# KiCad board Duet2.kicad_pcb (continued)
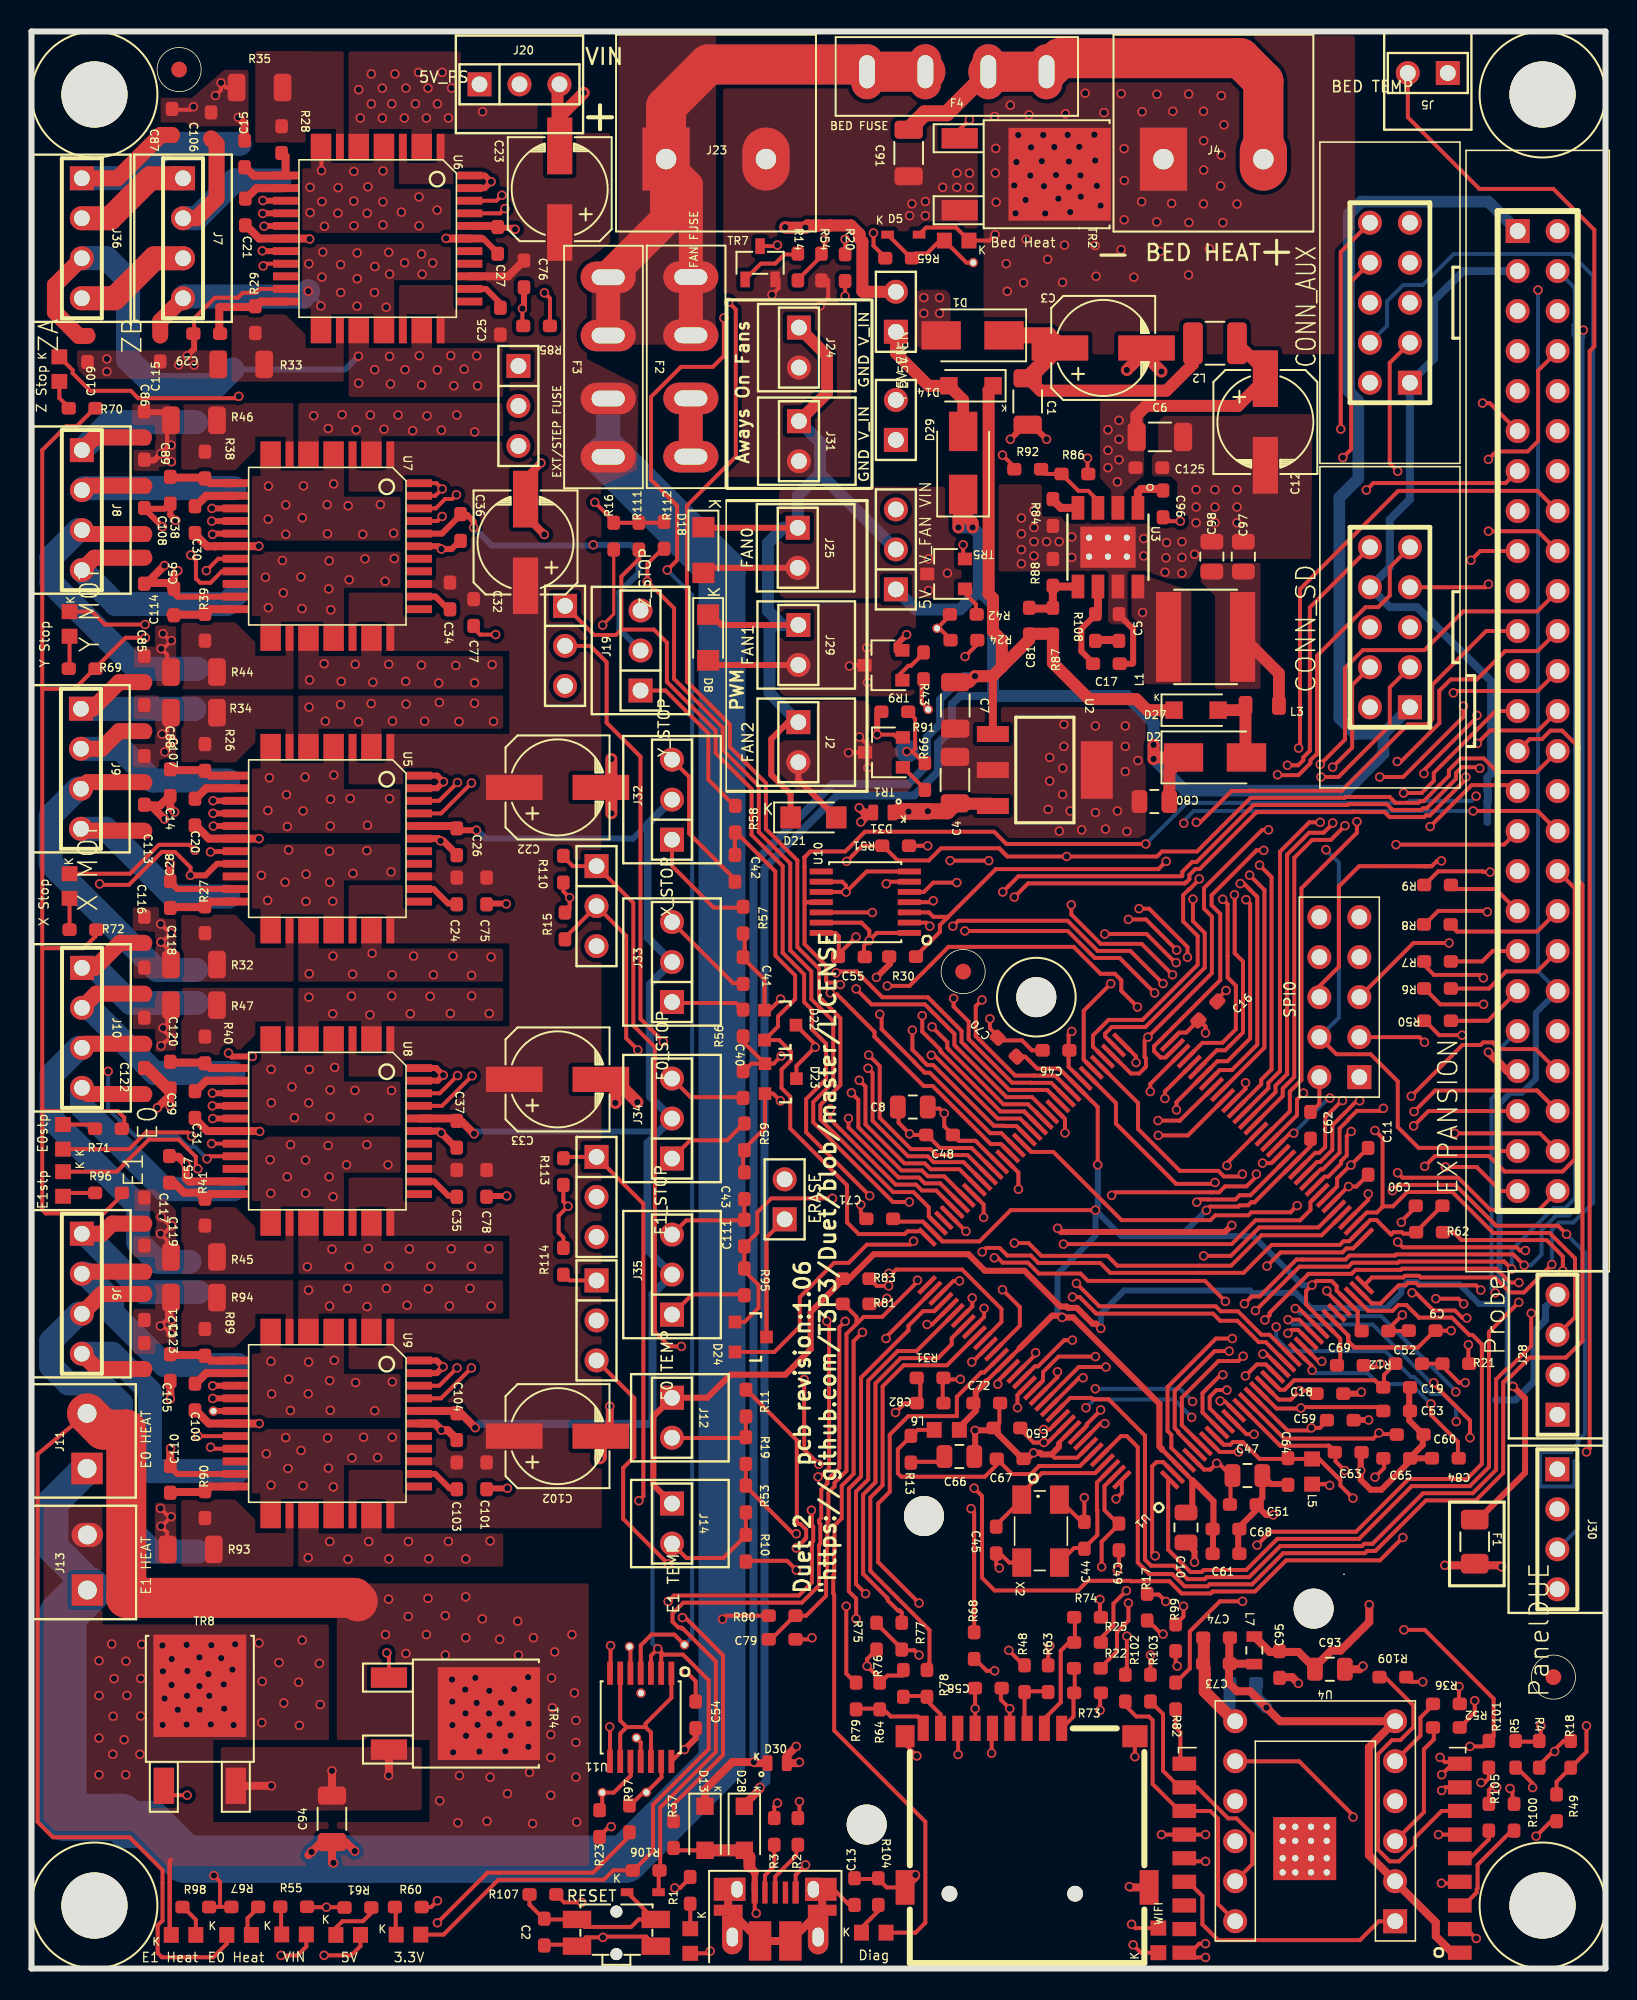
[diagram p0: board, top side]
## Routing (per net, layer and track width the routed paths; a pad name or vN(x,y) marks a point on that pad's centre or on a via; arc(x,y) is an arc through that point) (continued)
MCCDA: length 35.2
  Top w0.254: 63.09,19.2 v1(62.09,20.2) ; v1(52.39,22.2) 52.39,23.49 51.93,23.95 51.93,30.47 52.7,31.24 52.7,37.52 55.72,40.53 55.72,40.81 56.65,41.74 57.36,41.74 U1.112
  In1.Cu w0.254: v1(52.39,22.2) 53.79,20.8 61.49,20.8 v1(62.09,20.2)
MCCK: length 22.6
  Top w0.254: v1(65.18,37.89) 65.18,37.55 U1.129 ; v1(59.69,29.2) 59.89,29 59.89,21.3
  In1.Cu w0.254: v1(59.69,29.2) 62.39,29.2 65.18,31.99 v1(65.18,37.89)
MCDA0: length 24.3
  Top w0.254: 55.29,21.8 55.29,22.6 55.16,22.73 55.04,22.73 54.41,23.36 54.41,23.44 54.37,23.49 54.37,23.51 54.35,23.53 54.35,23.54 52.84,25.06 52.84,30.09 53.62,30.88 53.62,37.15 55.23,38.76 57.58,38.76 58.46,39.64 58.46,40.02 U1.116
MCDA1: length 27.3
  Top w0.254: 56.71,19.08 57.05,19.42 57.05,21.48 53.29,25.25 53.29,29.9 54.07,30.69 54.07,36.96 55.41,38.3 58.16,38.3 U1.118
MCDA2: length 41.4
  Top w0.254: U1.62 73.47,52.9 v1(71.59,52.9) ; 67.88,19.06 68.96,20.15 68.96,21.36 69.69,22.09 v1(69.69,23.2)
  In1.Cu w0.254: v1(71.59,52.9) 72.47,52.02 72.47,38.95 70.52,37 70.52,24.04 v1(69.69,23.2)
MCDA3: length 40.4
  Top w0.25: v1(69.56,23.99) 68.74,23.17 68.74,21.78 67.86,20.9 67.86,20.73 ; v1(71.08,55.69) 71.08,56.17 U1.70
  In1.Cu w0.25: v1(69.56,23.99) 70.07,24.5 70.07,37.19 72.02,39.14 72.02,51.49 70.91,52.6 70.91,55.52 v1(71.08,55.69)
MISO: length 66.9
  Top w0.254: v1(72.01,55.25) 72.01,55.69 U1.68 ; v1(87.19,21.5) 88.52,21.5 92.89,17.13 92.89,14.75 92.24,14.1 v1(91.39,14.1)
  In1.Cu w0.254: v1(72.01,55.25) 72.01,54.37 73.38,52.99 73.38,37.85 71.98,36.46 71.98,32.67 75.04,29.61 80.2,29.61 81.82,28 83.25,28 87.19,24.06 v1(87.19,21.5) ; 86.61,10.62 89.8,10.62 90.54,11.35 90.54,13.25 v1(91.39,14.1)
MOSI: length 63.8
  Top w0.254: v1(93.09,11.5) 92.76,11.5 92.59,11.33 92.59,10.6 ; v1(74.47,45.25) 76.2,45.25 77.96,47.01 77.97,47.01 78.02,47.06 81.76,47.06 U1.42 ; 90.69,16.8 v1(90.69,17.9)
  In1.Cu w0.254: v1(74.47,45.25) 74.47,37.66 72.89,36.08 72.89,33.05 75.03,30.91 80.47,30.91 82.48,28.9 84.08,28.9 90.69,22.29 v1(90.69,17.9) 93.03,17.9 94.74,16.2 94.74,11.35 93.99,10.6 93.57,10.6 93.09,11.08 v1(93.09,11.5)
MOSI_ESP: length 4.7
  Top w0.254: 89.09,16.8 89.09,16.78 88.24,15.93 88.24,14.79 86.61,13.16
NPCS0: length 38.6
  Top w0.254: U1.64 72.95,53.83 72.94,53.84 v1(71.57,53.84) ; v1(73.19,23) 73.19,22.35 72.64,21.8
  In1.Cu w0.254: v1(73.19,23) 73.19,30.8 71.53,32.46 71.53,37.36 72.93,38.76 72.93,52.55 71.64,53.84 v1(71.57,53.84)
NPCS0_CONN: length 26.6
  Top w0.254: 90.73,8.5 v1(89.39,8.5) ; v1(72.79,19.2) 72.69,19.3 R99.1 ; 76.45,13.16 80.54,13.16 83.96,9.73 v1(83.96,9.62)
  In1.Cu w0.254: v1(83.96,9.62) 83.96,8.92 85.98,6.9 87.79,6.9 v1(89.39,8.5) ; v1(72.79,19.2) 72.79,16.82 76.45,13.16
PB6/TMS: length 58.4
  Top w0.254: U1.79 68.9,54.95 68.9,53.65 72.72,49.82 75.1,49.82 v1(75.19,49.91) ; v1(88.86,72.51) 91.49,75.14 94.04,75.14 J1.29
  In1.Cu w0.254: v1(75.19,49.91) 79.16,45.94 83.9,45.94 85.82,47.87 85.82,47.89 86.53,48.59 86.55,48.59 87.57,49.61 87.57,51.18 88.89,52.5 88.89,53.67 88.93,53.71 88.93,55.64 87.86,56.71 87.86,59.18 88.86,60.18 v1(88.86,72.51)
PB7/TCK: length 29.8
  Top w0.25: v1(54.46,43.35) 53.7,43.35 R83.2 ; U1.89 62.81,53.97 61.38,53.97 57.35,57.99 v1(57.17,57.99)
  In1.Cu w0.25: v1(54.46,43.35) 54.09,43.35 50.26,47.17 50.26,49.16 51.62,50.52 52.42,50.52 57.17,55.27 v1(57.17,57.99)
PS_ON: length 79.6
  Top w0.25: v1(44.29,105.8) 44.74,105.35 44.74,95.99 41.64,92.89 41.64,81.72 44.37,78.99 44.37,77.57 46.66,75.28 46.66,72.36 48.65,70.37 48.65,70.36 48.66,70.36 48.66,64.86 50.03,63.48 50.03,61.7 51.39,60.35 51.39,56.1 50.12,54.84 50.12,53.92 54.74,49.3 56.04,49.3 57.01,48.33 57.01,47.75 U1.106 ; v1(50.39,109.8) 50.39,109.04 50.19,108.84 50.19,108.74 48.69,107.24
  In1.Cu w0.25: v1(50.39,109.8) 48.85,109.8 44.85,105.8 v1(44.29,105.8)
PS_ON_IN: length 22.4
  Top w0.254: v1(47.39,109.44) 47.32,109.37 TR7.D
  In1.Cu w0.254: v1(47.39,109.44) 47.12,109.7 39.87,109.7 31,118.57 J20.2
PWR_FAIL_DET: length 60
  Top w0.25: 51.59,42.2 52.42,41.38 52.42,40.93 52.34,40.85 ; v1(62.44,46.06) 63.34,46.06 64.15,45.25 68.36,45.25 68.99,44.63 74.21,44.63 76.21,44.63 78.14,46.56 81.97,46.56 U1.41 ; v1(56.29,43.7) 56.29,43.62 54.05,41.38 52.86,41.38 52.34,40.85 ; 48.49,22.4 49.22,22.4 50.48,23.67 50.48,25.15 50.54,25.21 50.54,26.76 50.57,26.79 50.57,28.32 50.63,28.38 50.63,30.23 51.02,30.62 51.02,30.84 51.78,31.6 51.78,40.29 52.34,40.85
  Top w0.254: 48.49,22.4 46.99,20.9 46.89,20.9
  In1.Cu w0.25: v1(62.44,46.06) 62.44,45.24 61.7,44.5 61.43,44.5 61.43,44.5 60.91,44.5 60.91,44.5 57.09,44.5 v1(56.29,43.7)
RESET: length 84.2
  Top w0.25: v1(51.7,41.1) 51.32,40.72 51.32,31.79 50.57,31.03 50.57,30.81 50.18,30.41 50.18,28.61 50.04,28.48 50.04,28.31 50.12,28.24 50.12,26.97 50.03,26.88 50.03,24.32 48.94,23.23 41.41,23.23 40.73,22.54 40.73,22.02 41.09,21.66 41.24,21.66 41.3,21.6 41.37,21.6 43.48,19.49 43.48,13.75 39.94,10.22 39.94,6.32 39.85,6.22 ; U1.83 64.78,56.24 63.51,56.24 63.5,56.25 62.3,56.25 59.84,58.72 59.84,58.72 59.54,59.02 59.54,60.13 58.58,61.09 v1(58.58,61.6)
  Top w0.254: D25.2 39.85,4.85 39.85,6.22
  In1.Cu w0.25: v1(51.7,41.1) 49.81,42.99 49.81,49.35 51.44,50.98 52.24,50.98 56.54,55.28 56.54,58.25 57.46,59.17 57.48,59.17 58.58,60.28 v1(58.58,61.6)
RESET_EXT: length 104.6
  Top w0.25: v1(40.45,23.31) 40.82,23.68 48.76,23.68 49.58,24.5 49.58,27.07 49.67,27.16 49.67,28.05 49.58,28.14 49.58,29.07 v1(49.55,29.1) ; v1(68.62,49.1) 68.82,49.29 74.93,49.29 74.93,49.29 75.45,49.29 75.83,49.67 77.19,49.67 77.82,50.29 v1(77.82,50.44) ; v1(87.66,55.39) 90.91,58.64 92.07,58.64 92.23,58.81 92.82,58.81 93.25,58.38 95.56,58.38 J1.44 ; R107.2 33.84,4.2 v1(34.95,4.2)
  In1.Cu w0.25: v1(68.62,49.1) 68.84,48.88 68.84,42.79 67.19,41.14 67.19,40.07 65.83,38.71 65.02,38.71 63.76,37.45 63.76,35.06 62.14,33.44 54.56,33.44 50.22,29.1 v1(49.55,29.1) ; v1(40.45,23.31) 40.45,9.7 v1(34.95,4.2) ; v1(77.82,50.44) 77.82,50.43 77.9,50.34 79.8,50.34 81.04,51.59 83.52,51.59 83.57,51.64 84.66,51.64 85.97,52.96 85.97,53.17 86.74,53.93 86.74,53.95 87.21,54.42 87.21,54.67 87.57,55.04 87.6,55.04 87.66,55.1 v1(87.66,55.39)
SAM_TFR_RDY: length 45.5
  Top w0.254: v1(77.86,26.88) 78.71,27.73 84.15,27.73 87.5,31.08 91.19,31.08 92.14,32.04 92.14,39.64 91.55,40.23 91.35,40.23 90.25,41.33 88.15,41.33 87.35,42.13 86.83,42.13 86.46,41.76 84.92,41.76 U1.34 ; R82.1 73.59,19.05 73.59,21.4 75.5,23.32 v1(76.94,23.32)
  In1.Cu w0.254: v1(76.94,23.32) 77.86,24.24 v1(77.86,26.88)
SD_CD: length 31.7
  Top w0.254: 52.39,18.1 51.76,18.73 v1(51.76,23) ; U1.122 60.53,37.85 60.34,37.85 58.79,36.3 58.79,35.08 55.7,35.08 54.53,33.9 54.53,30.27 53.79,29.53 53.79,25.8 v1(56.39,23.2)
  In1.Cu w0.254: v1(51.76,23) 56.19,23 v1(56.39,23.2)
SPCK: length 62.3
  Top w0.254: R52.1 91.69,16.25 v1(91.69,17) ; U1.51 77.44,49.1 76.76,49.1 76.49,48.83 74.74,48.83 74.74,48.84 74.21,48.84 v1(74.03,48.66) ; 94.09,10.4 94.09,11.27 v1(93.93,11.43)
  In1.Cu w0.254: v1(93.93,11.43) 93.93,16.36 93.29,17 v1(91.69,17) 90.67,17 88.29,19.38 88.29,23.75 83.59,28.45 82.15,28.45 80.28,30.32 74.98,30.32 72.44,32.86 72.44,36.27 73.84,37.67 73.84,48.47 v1(74.03,48.66)
SPCK_ESP: length 8.3
  Top w0.254: 86.61,8.08 88.46,9.93 88.46,13.92 89.09,14.55 89.09,15.3
SPI0_CS0: length 62.5
  Top w0.25: v1(68.26,38.2) 66.53,38.2 U1.130 ; v1(81.92,75.66) 83.03,75.66 86.29,78.92 86.29,81.35 P1.3
  In1.Cu w0.25: v1(68.26,38.2) 70.66,40.59 70.66,50.93 69.1,52.49 69.1,61.55 69.83,62.28 69.83,62.64 71.14,63.96 71.14,65.21 72.13,66.2 77.69,66.2 80.8,69.31 80.8,72.35 80.8,74.54 v1(81.92,75.66)
SPI0_CS1: length 29.9
  Top w0.25: v1(79.82,40.34) 80.04,40.55 80.47,40.55 U1.26 ; v1(88.5,58.81) 88.17,59.14 J37.3
  In1.Cu w0.25: v1(79.82,40.34) 80.49,40.34 83.31,43.15 83.31,43.85 86.21,46.76 87.45,46.76 89.2,48.51 89.2,51.31 89.38,51.5 89.38,52.54 89.34,52.59 89.34,53.48 89.38,53.52 89.38,56.57 88.5,57.45 v1(88.5,58.81)
SPI0_CS2: length 49.2
  Top w0.25: U1.111 58.57,43.66 v1(58.96,43.66) ; v1(68.19,65.69) 70.85,65.69 72.67,63.87 v1(72.72,63.87)
  In1.Cu w0.25: v1(72.72,63.87) 73.01,63.58 73.37,63.58 79.07,57.89 83.07,57.89 J37.1 ; v1(58.96,43.66) 59.31,44.02 61.97,44.02 63.33,45.37 63.33,48.62 66.73,52.02 66.73,61.57 66.6,61.7 66.6,64.1 v1(68.19,65.69)
SPI0_MISO: length 80.2
  Top w0.254: 88.47,69.99 84.34,69.99 83.06,68.71 83.06,63.61 81.82,62.37 J37.6 ; 88.47,69.99 88.8,69.99 87.93,69.99 ; 88.47,69.99 88.96,69.99 89.3,70.33 v1(89.58,70.33) ; v1(78.23,39.02) 78.46,39.02 U1.21 ; J1.49 93.34,49.37 91.82,50.89 v1(89.83,50.89)
  In1.Cu w0.254: v1(78.23,39.02) 80.64,39.02 84.17,42.55 84.17,42.56 84.21,42.62 84.21,43.48 86.24,45.51 87.22,45.51 89.83,48.12 v1(89.83,50.89) 89.83,50.9 89.83,52.73 89.79,52.77 89.79,53.29 89.83,53.34 89.83,56.84 89.35,57.32 89.35,60.04 89.43,60.12 89.43,70.19 v1(89.58,70.33) 89.49,70.42 89.49,72.81 89.14,73.16 89.14,76.45 88.24,77.35 85.74,77.35 83.94,79.15 83.94,84.08 P1.6
SPI0_MOSI: length 74.8
  Top w0.254: U1.20 78.42,38.36 77.85,38.36 v1(77.12,37.63) ; J37.5 87.8,65.12 v1(90.06,65.12) ; v1(90.41,53.03) 95.83,53.03 J1.48
  In1.Cu w0.254: P1.5 86.48,84.08 86.48,79 87.58,77.9 88.49,77.9 89.6,76.8 89.6,73.76 89.95,73.4 89.95,70.84 90.2,70.59 90.2,65.26 v1(90.06,65.12) 89.89,64.95 89.89,59.93 89.81,59.85 89.81,59.71 89.81,57.51 90.37,56.94 90.37,56.93 90.41,56.89 v1(90.41,53.03) 90.46,52.99 90.46,48.11 87.41,45.05 86.43,45.05 84.66,43.29 84.66,42.47 84.64,42.44 84.64,42.43 84.64,42.42 84.64,42.39 79.89,37.63 v1(77.12,37.63)
SPI0_SCK: length 96.3
  Top w0.25: U1.144 69.27,30.19 v1(68.9,29.82) ; J37.4 82.91,58.05 85.08,58.05 86.8,56.33 86.8,53.43 88.12,52.11 ; v1(82.66,76.29) 83.9,77.53 83.9,81.5 P1.4
  Top w0.254: 88.12,52.11 93.14,52.11 93.34,51.91 J1.47
  In1.Cu w0.25: v1(68.9,29.82) 68.9,37.31 71.11,39.51 71.11,51.12 69.55,52.67 69.55,61.37 70.28,62.09 70.28,62.46 71.59,63.77 71.59,65.02 72.32,65.75 77.88,65.75 82.24,70.12 v1(82.24,71.04) 81.25,72.04 81.25,72.54 81.25,73.92 82.66,75.34 v1(82.66,76.29)
  Bottom w0.25: J37.4 83.06,60.38 83.06,70.22 v1(82.24,71.04)
SPI1_MISO: length 254.6
  Top w0.254: v1(88.51,50.93) 89.17,51.59 92.6,51.59 93.59,50.61 97.27,50.61 98.05,51.38 98.05,68.6 J1.34 ; U1.32 82.29,42.97 v1(82.29,43.03)
  Top w0.381: v1(11.54,74.15) 11.54,74.15 U5.14 ; v1(11.47,92.72) 11.47,92.72 U7.14 ; v1(11.5,55.59) 11.5,55.58 U8.14 ; v1(11.51,37) 11.52,37.01 U9.14 ; v1(14.7,112.27) 14.71,112.25 U6.14 ; v1(65.19,47) 65.42,46.77 75.83,46.77 v1(76.26,47.19)
  In1.Cu w0.381: 9.53,37 8.29,37 ; 9.53,37 9.53,32.77 12.52,29.77 31.95,29.77 39.58,37.4 41.87,37.4 44.86,34.41 48.24,34.41 50.56,36.73 50.95,36.73 50.98,36.76 51.32,36.76 51.48,37.08 51.87,37.22 53.94,39.28 57.34,39.28 58.93,40.87 61.75,40.87 64.69,43.8 64.69,46.5 v1(65.19,47) ; 9.53,37 v1(11.51,37) 6.81,37 5.29,38.51 5.29,52.28 5.58,52.57 5.58,57.42 ; 8.55,74.15 5.03,70.63 5.03,57.97 5.58,57.42 ; 8.55,74.15 6.76,74.15 4.81,76.1 4.81,88.88 6.69,90.76 6.69,92.72 ; 8.55,74.15 v1(11.54,74.15) ; v1(14.7,112.27) 13.99,112.27 12.22,110.49 12.22,102.49 10.82,101.09 6.54,101.09 4.78,99.34 4.78,94.62 6.69,92.72 ; 5.58,57.42 6.68,56.32 10.76,56.32 v1(11.5,55.59) ; 6.69,92.72 v1(11.47,92.72) 8.64,92.72 ; v1(82.29,43.03) 82.29,43.61 83.65,44.97 ; 83.65,44.97 86.34,47.65 86.34,47.67 86.74,48.08 86.76,48.08 88.51,49.82 v1(88.51,50.93) ; 83.65,44.97 79.23,44.97 77,47.19 v1(76.26,47.19)
SPI1_MOSI: length 54.6
  Top w0.254: v1(53.42,67.06) 53.42,67.06 U10.12 ; v1(54.37,62.4) 55.78,62.4 58.26,64.87 66.21,64.87 67.92,63.16 68.83,63.16 69.24,62.75 69.24,62.08 v1(70.26,61.06) ; U1.37 83.97,45.73 83.54,45.73 83.29,45.47 79.36,45.47 v1(78.49,44.6)
  In1.Cu w0.254: v1(53.42,67.06) 54.43,66.05 54.43,62.46 v1(54.37,62.4) ; v1(70.26,61.06) 70.26,58.32 74.51,54.08 74.51,49.7 74.93,49.29 75.17,49.29 75.72,48.74 75.72,47.52 75.63,47.43 75.63,46.86 77.89,44.6 v1(78.49,44.6)
SPI1_MOSI_BUFF: length 232.1
  Top w0.254: v1(51.39,62.48) 51.27,62.6 50.58,62.6 50.49,62.7 50.49,63.67 49.11,65.05 49.11,67.64 49.19,67.71 U10.11 49.18,67.71 49.11,67.78 49.11,69.93 49.11,69.94 49.11,70.54 49.1,70.55 49.1,70.55 49.48,70.93 51.7,70.93 52.95,72.18 61.16,72.18 61.94,71.4 v1(70.79,71.4)
  Top w0.381: v1(11.45,91.91) 12.94,91.91 U7.15 ; v1(11.54,73.35) 11.54,73.35 U5.15 ; v1(11.49,54.78) 11.49,54.78 U8.15 ; v1(11.51,36.2) 11.52,36.21 U9.15 ; v1(14.69,111.44) 14.7,111.45 U6.15
  In1.Cu w0.254: v1(91.78,74.44) 92.82,73.41 92.82,71.29 J1.33
  In1.Cu w0.381: 13.21,56.9 13.21,55.24 12.74,54.78 v1(11.49,54.78) 9.84,54.78 9,53.94 7.77,53.94 5.87,52.04 5.87,38.75 6.76,37.87 11.8,37.87 12.5,37.17 12.5,36.69 12.01,36.2 v1(11.51,36.2) ; 13.21,56.9 13.21,58.09 13.76,58.65 34.12,58.65 35.69,60.22 49.07,60.22 49.63,60.79 50.57,60.79 51.47,61.69 51.47,62.4 v1(51.39,62.48) ; 13.21,56.9 7.12,56.9 5.67,58.35 5.67,69.02 10,73.35 v1(11.54,73.35) 11.88,73.35 12.3,73.77 12.3,74.53 11.92,74.9 6.83,74.9 5.39,76.34 5.39,88.53 7.7,90.84 9.38,90.84 10.44,91.91 v1(11.45,91.91) 11.98,91.91 12.27,92.2 12.27,93.04 11.9,93.41 6.81,93.41 5.38,94.85 5.38,99.07 6.82,100.51 11.16,100.51 12.63,101.99 ; v1(14.69,111.44) 13.99,111.44 12.8,110.25 12.8,102.18 12.63,102.01
  Bottom w0.254: v1(70.79,71.4) 73.4,74.02 87.43,74.02 87.56,74.15 91.48,74.15 v1(91.78,74.44)
SPI1_SCK: length 38.5
  Top w0.25: U10.2 56.85,66.41 v1(57.07,66.19) ; U1.46 82.16,50.28 82.38,50.28 83.2,51.11 83.2,51.27 83.56,51.63 83.56,52.87 v1(83.84,53.15) ; v1(71.88,62.54) 69.81,64.62 67.74,64.62 65.83,66.53 58.88,66.53 v1(58.53,66.19)
  In1.Cu w0.25: v1(83.84,53.15) 82.27,53.15 75.67,59.75 75.67,59.85 73.72,61.8 72.62,61.8 v1(71.88,62.54) ; v1(58.53,66.19) 57.07,66.19 v1(57.07,66.19)
SPI1_SCK_BUFF: length 173.3
  Top w0.381: v1(11.5,91.07) 11.55,91.12 U7.16 ; v1(11.55,72.54) 11.57,72.54 11.57,72.55 U5.16 ; v1(11.51,53.97) 11.52,53.98 U8.16 ; TP15.1 11.57,35.41 U9.16 ; v1(14.78,110.63) 14.8,110.65 U6.16 ; v1(12.51,58.13) 12.73,57.91 v1(14.03,57.91) ; v1(53.68,62.94) 54.54,63.8 54.54,64.25
  In1.Cu w0.381: 14.55,57.74 14.17,57.37 14.17,54.68 13.47,53.97 v1(11.51,53.97) 10.13,53.97 9.51,53.36 8.01,53.36 6.46,51.8 6.46,39 7,38.45 12.04,38.45 13.08,37.41 13.08,36.09 12.4,35.4 TP15.1 ; 14.55,57.74 14.86,58.06 34.38,58.06 35.96,59.64 49.31,59.64 49.87,60.21 51.49,60.21 53.68,62.4 v1(53.68,62.94) ; 14.55,57.74 14.38,57.91 v1(14.03,57.91) ; v1(12.51,58.13) 12.51,58.13 12.18,57.8 7.22,57.8 6.4,58.62 6.4,68.84 10.11,72.54 v1(11.55,72.54) 12.04,72.54 12.94,73.45 12.94,74.83 12.29,75.48 7.07,75.48 5.97,76.58 5.97,88.29 7.94,90.26 9.62,90.26 10.19,90.83 11.26,90.83 v1(11.5,91.07) 12.05,91.07 12.96,91.98 12.96,93.33 12.3,93.99 7.05,93.99 5.97,95.07 5.97,98.85 6.99,99.86 11.33,99.86 13.38,101.91 13.38,109.24 v1(14.78,110.63)
SPI1_SCK_BUFF_EXP: length 49
  Top w0.254: 58.14,66.69 58.23,66.78 57.3,66.78 57.02,67.06 U10.3 ; 58.14,66.69 57.71,66.26 57.71,65.83 56.14,64.25 ; 58.14,66.69 61.26,69.81 71.6,69.81 v1(72.09,70.3) ; v1(91.59,73.5) 95.68,73.5 J1.32
  In1.Cu w0.254: v1(72.09,70.3) 73.21,71.42 v1(73.21,72.72)
  Bottom w0.254: v1(91.59,73.5) 73.84,73.5 73.21,72.87 v1(73.21,72.72)
THERMISTOR0: length 108.2
  Top w0.25: 98.99,33.2 98.99,102.7 99.29,103 99.29,110.4 96.69,113 91.99,113 87.44,117.55 J5.2
  Top w0.254: v1(98.79,32.8) 98.99,33 98.99,33.2 ; v1(91.09,37.2) 90.69,37.2 89.49,38.4 R12.1
  In1.Cu w0.254: v1(98.79,32.8) 98.29,33.3 95.89,33.3 91.99,37.2 v1(91.09,37.2)
THERMISTOR1: length 6.2
  Top w0.254: J12.2 40.71,33.69 45.38,33.69 45.38,35.19
THERMISTOR2: length 7.2
  Top w0.254: J14.2 41.62,26.06 43.95,26.06 45.38,27.49 45.38,29.01
THERMISTOR3: length 4.9
  Top w0.254: J1.35 93.02,68.54 90.14,68.54
THERMISTOR4: length 7.6
  Top w0.254: J1.36 95.66,65.85 90.56,65.85 90.11,66.3
THERMISTOR5: length 4.6
  Top w0.254: J1.37 92.83,64.61 92.17,63.95 90.12,63.95
THERMISTOR6: length 7.8
  Top w0.254: J1.38 95.67,63.32 93.69,63.32 92.6,62.23 90.12,62.23
THERMISTOR7: length 5.1
  Top w0.254: J1.39 92.53,60.18 90.12,60.18
TWCK0: length 38.7
  Top w0.25: v1(87.83,54.41) 89.18,55.75 95.65,55.75 J1.46 ; U1.77 70.3,54.96 70.3,53.31 72.96,50.65 75.4,50.65 75.75,50.3 76.78,50.3 v1(76.93,50.44)
  Top w0.254: 95.65,55.76 J1.46
  In1.Cu w0.25: v1(76.93,50.44) 77.94,49.43 80.29,49.43 81.15,50.29 83.99,50.29 86.7,53.01 86.7,53.26 87.18,53.74 87.18,53.76 87.55,54.13 87.57,54.13 87.67,54.23 87.67,54.25 v1(87.83,54.41)
TWD0: length 36.8
  Top w0.25: v1(87.81,53.5) 88.75,54.45 J1.45 ; v1(80.41,48.44) 79.99,48.02 77.5,48.02 77.31,47.83 75.21,47.83 74.9,47.52 69.25,47.52 64.92,51.85 63.51,51.85 U1.91
  In1.Cu w0.25: v1(87.81,53.5) 87.81,53.26 84.33,49.78 84.33,49.39 83.38,48.44 v1(80.41,48.44)
URXD0: length 110.2
  Top w0.25: v1(86.46,49.39) 86.83,49.76 90.45,49.76 93.05,47.16 96.99,47.16 v1(97.53,46.63) ; v1(78.59,72.3) 78.19,72.3 74.49,68.6 74.49,67.3 74.99,66.8 74.99,63.2 v1(70.93,59.14) 70.72,58.93 70.72,57.87 70.8,57.79 70.8,57.27 70.72,57.18 70.72,57.17 70.38,56.83 69.85,56.83 U1.75 ; v1(79.16,75.8) 79.19,75.78 80.49,75.78 81.25,76.54 81.25,76.72 81.62,77.08 81.67,77.08 81.67,83.36 84.76,86.45 85.55,86.45 86.29,87.19 86.29,88.97 P1.9
  In1.Cu w0.25: v1(78.59,72.3) 78.59,75.23 v1(79.16,75.8) ; v1(70.93,59.14) 75.04,55.04 75.04,51.01 75.82,50.23 75.82,50.03 78.5,47.35 84.61,47.35 86.46,49.2 v1(86.46,49.39)
  Bottom w0.25: J30.3 98.26,27.95 98.26,32.04 98.19,32.04 98.03,32.2 98.03,30.62 95.85,30.62 95.85,32.79 97.82,32.79 97.82,32.92 98.19,33.29 98.26,33.29 98.26,33.53 98.69,33.96 98.69,45.46 v1(97.53,46.63)
URXD1: length 42.1
  Top w0.25: 69.49,19.05 69.59,19.15 v1(69.59,21.1) ; v1(70.18,57.53) 70.18,57.92 U1.73
  In1.Cu w0.25: v1(69.59,21.1) 68.94,21.76 68.94,24.36 69.62,25.04 69.62,37.38 71.56,39.32 71.56,51.3 70.18,52.69 v1(70.18,57.53)
URXD1_CONN: length 18.5
  Top w0.25: R102.1 69.49,16.7 70.19,16 70.99,16 71.23,15.77 71.23,11.72 72.94,10 U4.12 74.89,10 75.39,9.51 75.39,4.09 J16.15
USB_PWR_MON: length 52.1
  Top w0.254: v1(59.01,37.41) 59,37.4 57.89,37.4 57.89,35.97 ; U1.124 61.39,37.29 v1(61.39,37.1) ; 40.79,9.3 40.79,10.42 43.93,13.56 43.93,19.89 41.54,22.28 v1(41.35,22.28)
  In1.Cu w0.254: v1(61.39,37.1) 59.32,37.1 v1(59.01,37.41) 58.4,36.8 54.76,36.8 53.5,35.55 53.36,35.26 53.29,35.24 53.28,35.23 53.21,35.21 53.21,35.2 53.13,35.18 53.13,35.1 53.11,35.07 53.11,35.05 53.03,34.97 52.98,34.87 52.9,34.84 52.85,34.74 52.79,34.72 52.77,34.67 52.76,34.66 52.76,34.66 52.75,34.65 52.74,34.65 52.69,34.63 50.7,32.64 49.76,32.64 49.4,32.27 49.4,31.54 47.76,29.9 43.59,29.9 42.12,28.44 40.11,28.44 39.6,27.93 39.6,25.6 41.35,23.85 v1(41.35,22.28)
UTXD0: length 87
  Top w0.254: v1(72.74,54.53) 72.74,55.01 U1.66 75.34,57.61 75.98,57.61 77.42,59.06 77.42,67.61 v1(77.16,67.87) ; P1.10 81.22,86.43 81.22,77.32 80.8,76.91 80.8,76.73 80.48,76.4 v1(79.79,76.4)
  In1.Cu w0.254: J30.4 95.44,25.58 95.44,29.09 95.39,29.15 95.39,29.4 92.09,32.7 92.09,34 91.36,34.73 v1(90.52,34.73) ; v1(79.79,76.4) 79.79,75.52 79.44,75.17 79.44,70.15 77.16,67.87 v1(77.16,67.87) ; v1(72.74,54.53) 73.83,53.44 73.83,49.78 74.09,49.53 74.09,49.51 74.1,49.5 74.1,49.48 74.73,48.84 74.83,48.84 75.27,48.41 75.27,47.89 75.15,47.77 75.15,46.44 79.08,42.51 v1(79.08,40.74)
  Bottom w0.254: v1(79.08,40.74) 79.08,40.03 79.91,39.2 86,39.2 87.65,37.56 87.84,37.56 88.92,36.48 89.67,36.48 90.52,35.63 v1(90.52,34.73)
UTXD1: length 42.6
  Top w0.254: v1(71.09,19.9) R103.2 ; U1.114 56.24,39.21 55.04,39.21 53.16,37.33 53.16,31.06 52.38,30.28 52.38,24.41 v1(52.99,23.8)
  In1.Cu w0.254: v1(71.09,19.9) 68.59,19.9 64.34,24.15 53.34,24.15 v1(52.99,23.8)
UTXD1_CONN: length 15.5
  Top w0.25: J16.14 77.56,6.63 77.56,8.53 76.55,9.54 76.02,9.54 74.05,11.5 U4.11 72.94,11.5 71.89,12.55 71.89,16.15 R103.1
V_BED: length 68.6
  Top w0.254: 54.29,108.6 53.5,109.4 53.5,110.2 v1(53.49,110.2)
  Top w1.016: F4.2 58.15,117.8 56.75,117.8 55.73,116.78
  Top w2.54: J4.2 78.26,119.84 76.8,121.31 65.35,121.31 F4.2 F4.2
  In1.Cu w0.254: F4.2 60.32,119.97 60.32,117.24 59.85,116.78 59.76,116.78 53.49,110.5 v1(53.49,110.2)
  Bottom w2.54: J4.2 78.26,119.85 76.8,121.31 65.35,121.31 F4.2 F4.2
V_FAN: length 59.2
  Top w0.381: D21.1 48.23,74.57 47,75.8 47,78.07 48.07,79.14 J2.1 ; J29.1 43.84,85.31 43.18,85.97 ; J25.1 42.86,91.48 42.69,91.65
  Top w0.762: J24.1 50.54,102.41 50.54,100.04 J31.1
  Bottom w0.75: J29.1 47.2,85.31 46.89,85 46.89,80.97 J2.1
  Bottom w0.762: 50.1,94.93 J3.2 ; 50.1,94.93 50.1,96.91 J31.1 ; 50.1,94.93 48.68,93.51 J25.1 47.77,91.48 46.79,90.5 46.79,86.2 47.68,85.31 J29.1
V_FUSED: length 198.4
  Top w0.254: 11.25,3.91 11.98,3.91 ; 11.98,3.91 12.85,3.91 ; 11.98,3.91 11.98,5.51 v1(11.59,5.9) ; 46.89,22.4 44.12,22.4 v1(43.9,22.18)
  Top w0.508: v1(20.54,7.45) 19.99,8 19.09,8 ; 17.59,7.2 18.39,8 19.09,8 ; U6.36 30.29,107.45 C76.1 ; 19.09,8 19.09,6.7
  Bottom w0.254: 3.14,31.75 1.4,30.01 ; 3.14,31.75 1.4,30.01 ; 3.14,31.75 J11.1 ; 1.4,30.01 1.4,26.19 ; 1.4,30.01 1.4,26.19 ; 1.4,26.19 J13.1 1.4,26.19
  Bottom w0.508: 19.09,6.7 19.09,6.97 ; v1(20.54,7.45) 20.54,6.97 ; 17.59,7.2 17.59,6.97
  Bottom w1.524: F3.2 F3.2
  Bottom w2: J11.1 1.35,29.57 1.35,26.72 3.07,25 3.07,24.03
  Bottom w2.286: J13.1 3.07,24.03
  Bottom w2.54: 20.54,6.97 17.59,6.97
  Bottom w3: F3.2 43.87,88.76 43.87,13.1 37.72,6.95 9.75,6.95 7.55,9.14 6.13,9.14 5.67,9.6 2.09,9.6 1.99,9.7 1.99,22.47 J13.1
  vias: v1(17.79,7.4) v1(19.19,6.7) v1(56.69,106.1) v1(56.69,105.1) v1(57.69,106.1) v1(57.69,105.1)
V_IN: length 237
  Top w0.254: D15.1 17.46,1.39 16.9,0.83 v1(15.86,0.83)
  Top w1.524: J23.1 41.89,113.32 F2.1 F2.1 ; F3.1 F3.1
  Top w2.032: J23.1 40.31,111.07 F3.1
  Top w2.54: J23.1 40.31,118.23 42.99,120.9 52.63,120.9 F4.1 F4.1
  In1.Cu w0.254: v1(15.86,0.83) 12.78,0.83 10.86,2.74 10.86,3.04 1.95,11.96 1.95,114.85 6.45,114.85 8.45,116.85 8.45,118.19 12.55,122.29 34.2,122.29 40.31,116.18 J23.1
  Bottom w2.54: F4.1 F4.1 52.63,120.9 42.99,120.9 40.31,118.23 J23.1
X_DIR: length 55.6
  Top w0.25: v1(27.96,75.28) 26.02,73.35 U5.41 ; v1(53.15,57.16) 53.44,56.88 53.44,53.83 55.69,51.58 56.94,51.58 57.31,51.2 59.21,51.2 U1.98 ; v1(38.52,58.33) 37.78,59.07 37.78,65.58 TP3.2 33.89,65.45 33.89,65.4
  In1.Cu w0.25: v1(27.96,75.28) 35.77,67.46 TP3.2 ; v1(53.15,57.16) 41.73,57.16 41.12,57.78 39.08,57.78 v1(38.52,58.33)
X_EN: length 66.2
  Top w0.254: v1(11.37,70.9) 12.9,70.9 U5.18 11.36,70.95 ; v1(51.11,63.23) 51.2,63.31 52.42,63.31 52.79,62.94 52.79,62.94 54.06,61.67 56.95,61.67 59.09,59.54 59.09,58.83 59.36,58.56 59.36,58.55 62.12,55.79 64.53,55.79 U1.84
  In1.Cu w0.254: v1(11.37,70.9) 11.37,69.43 13.96,66.85 32.11,66.85 34.03,64.92 TP3.3 38.11,62.71 41.26,62.71 41.46,62.91 44.88,62.91 45.61,62.18 50.06,62.18 v1(51.11,63.23)
X_MOT_1A: length 14.7
  Top w1.016: 7.17,78.57 5.57,78.57 4.45,77.45 J9.2
  Bottom w1.524: 12.5,75.44 7.69,75.44 5.68,77.45 J9.2
  vias: v1(15.01,73.53) v1(15.12,75.61) v1(16.2,74.54) v1(16.26,72.51) v1(17.25,73.51) v1(17.38,75.66) v1(19,74.25) v1(18.98,72.55) v1(19.21,75.78) v1(20.25,74.3) v1(21.35,72.59) v1(22.75,74.28)
X_MOT_1B: length 11.9
  Top w1.016: 7.17,81.68 5.57,81.68 3.88,79.99 J9.1
  Bottom w1.524: 10.35,79.97 10.33,79.99 J9.1
  vias: v1(17.64,80.1) v1(18.67,79.2) v1(19.64,80.26) v1(20.78,79.17) v1(21.58,80.32) v1(22.93,79.21) v1(23.8,80.29) v1(24.98,79.2) v1(25.91,80.39) v1(27.16,79.18) v1(28.14,80.35) v1(29.35,79.19)
X_MOT_2A: length 21.9
  Top w1.016: 7.17,75.33 3.56,75.33 J9.3
  Bottom w1.524: 10.46,63.41 7.97,63.41 1.21,70.18 1.21,73.18 2.94,74.91 J9.3
  vias: v1(17.64,63.17) v1(19.15,64.29) v1(20.4,63.13) v1(21.64,64.47) v1(22.91,63.1) v1(24.27,64.29) v1(25.54,63.1) v1(26.78,64.29) v1(27.96,63.06) v1(29.2,64.24)
X_MOT_2B: length 15.2
  Top w1.016: 7.17,72.25 3.26,72.25 J9.4
  Bottom w1.524: 12.5,68.07 9.02,68.07 4.72,72.37 J9.4
  vias: v1(14.6,69.42) v1(15,67.82) v1(16.11,68.98) v1(16.33,71.03) v1(17.44,67.76) v1(17.45,69.49) v1(18.93,70.95) v1(18.95,68.98) v1(19.14,67.77) v1(20.42,69.54) v1(21.3,70.98) v1(22.84,69.63)
X_STEP: length 78.1
  Top w0.25: TP3.1 38.24,67.66 38.24,59.88 39.6,58.51 39.6,40.43 40.53,39.5 v1(41.29,39.5) ; U1.121 62.79,40.81 62.79,42 v1(61.69,43.1)
  Top w0.254: v1(27.06,75.31) 25.9,74.15 U5.42 ; TP3.1 34.39,70 33.79,70.6
  In1.Cu w0.25: v1(41.29,39.5) 52.79,39.5 54.19,40.9 54.89,40.9 55.69,40.1 56.99,40.1 58.59,41.7 58.59,42.4 59.39,43.2 61.59,43.2 v1(61.69,43.1)
  In1.Cu w0.254: TP3.1 34.18,70 28.25,75.94 27.69,75.94 v1(27.06,75.31)
X_STOP: length 23.5
  Top w0.25: D23.1 45.73,57.45 45.21,56.93 ; D23.1 45.21,58.84 45.21,59.24 ; D23.1 47.14,57.45 v1(47.63,57.94) ; v1(53.19,58.01) 53.89,57.31 53.89,54.02 55.88,52.03 57.13,52.03 57.5,51.65 59.47,51.65 U1.97
  In1.Cu w0.25: v1(53.19,58.01) 50.28,58.01 50.15,57.88 47.7,57.88 v1(47.63,57.94)
X_STOP_CONN: length 48.6
  Top w0.254: v1(10.38,71.01) 10.03,71.36 8.09,71.36 6.25,69.52 D12.2 ; J33.1 40.75,61.31 44.74,61.31 45.21,60.84
  In1.Cu w0.254: v1(10.38,71.01) 10.75,70.64 10.75,69.41 13.77,66.39 31.36,66.39 36.38,61.37 J33.1
Y_DIR: length 78.3
  Top w0.2: v1(36.29,85.3) 36.99,86 R16.1
  Top w0.254: v1(26.09,92.2) 25.8,91.92 U7.41 ; v1(40.13,58.86) 38.69,60.31 38.69,76.95 36.54,79.1 36.54,82.95 35.51,83.99 TP2.2 ; v1(53.89,60.59) 54.01,60.47 54.01,59.64 56.09,57.57 56.09,57.55 56.72,56.91 56.74,56.91 56.77,56.88 57.07,56.88 60.91,53.04 61.62,53.04 U1.92